# KiCad board EyesOfTomorrow-MainBoard.kicad_pcb
note: AISLER Project ID: BVLYZYGG
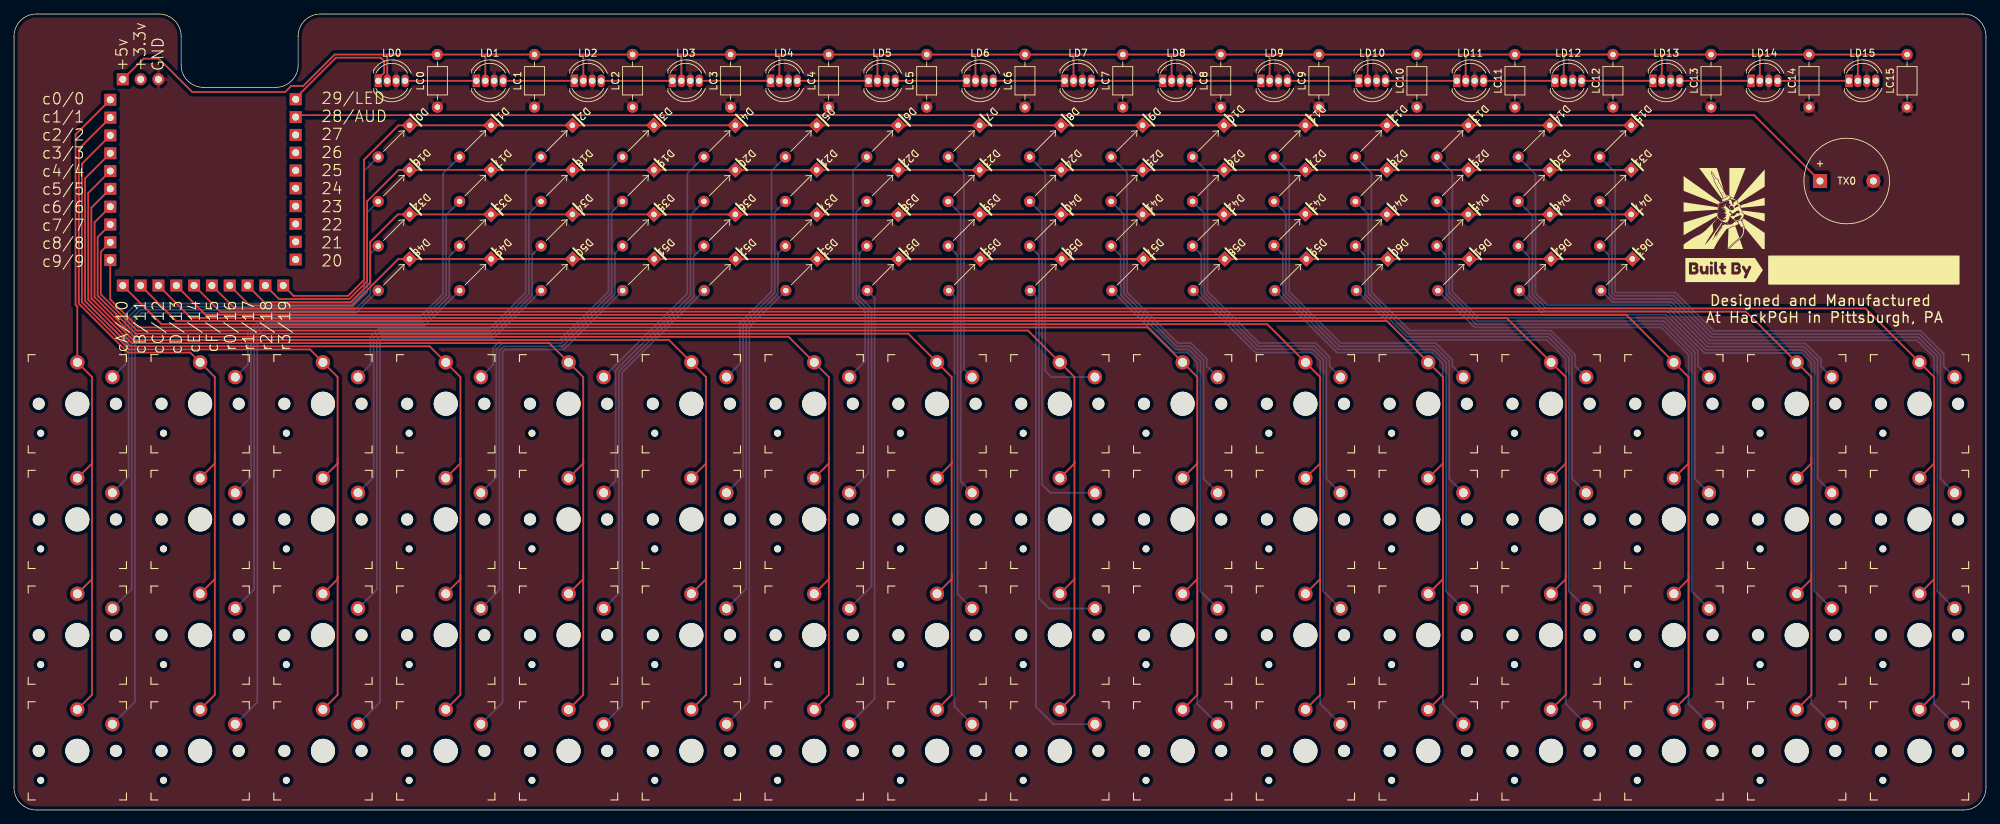
[diagram p0: board, top side]
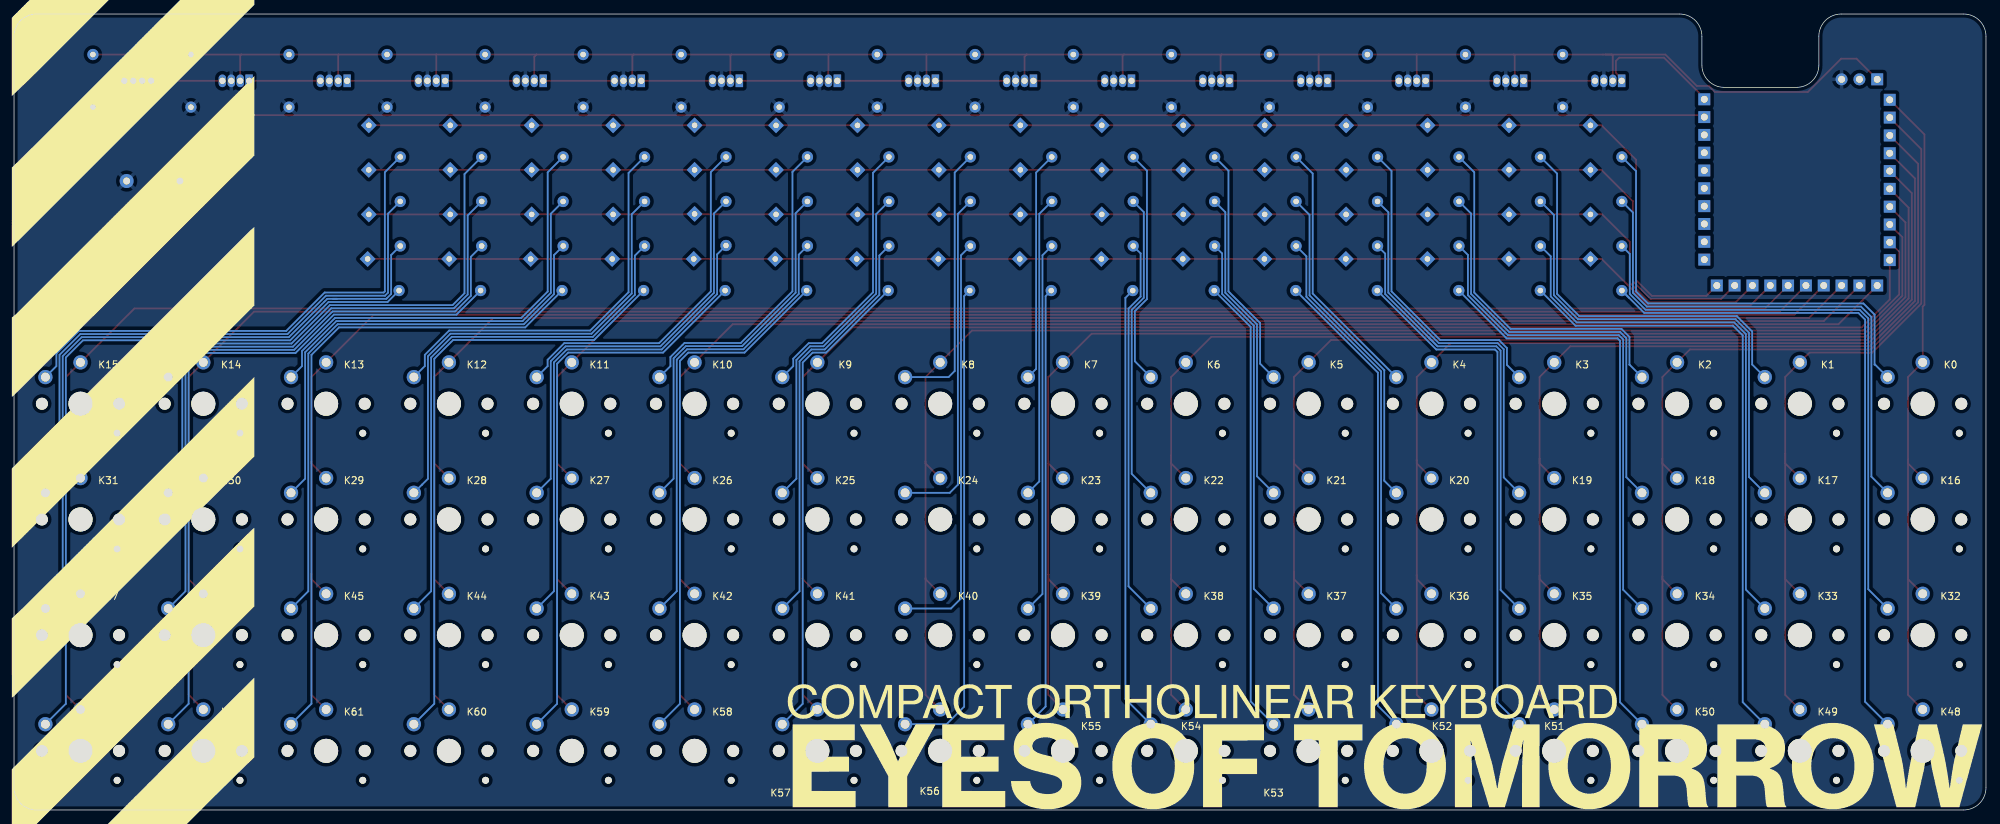
[diagram p1: board, bottom side, seen from below]

Outline 280.99 x 113.51 mm; copper layers: Top, Bottom. Coordinates in mm from the lower left corner of the outline.
Outline path: 0,110.33 0,3.18 arc(0.93,0.93) 3.17,0 277.81,0 arc(280.06,0.93) 280.99,3.18 280.99,110.33 arc(280.06,112.58) 277.81,113.51 43.66,113.51 arc(41.41,112.58) 40.48,110.33 40.48,106.23 arc(39.55,103.98) 37.31,103.05 26.99,103.05 arc(24.74,103.98) 23.81,106.23 23.81,110.33 arc(22.88,112.58) 20.64,113.51 3.17,113.51 arc(0.93,112.58) 0,110.33

## Placement (name value [footprint] x y rotation side)
D0  1N4148W-T4  [1N4148]  54.11 95.39 225 top
D1  1N4148W-T4  [1N4148]  65.72 95.39 225 top
D2  1N4148W-T4  [1N4148]  77.32 95.39 225 top
D3  1N4148W-T4  [1N4148]  88.93 95.39 225 top
D4  1N4148W-T4  [1N4148]  100.53 95.39 225 top
D5  1N4148W-T4  [1N4148]  112.14 95.39 225 top
D6  1N4148W-T4  [1N4148]  123.74 95.39 225 top
D7  1N4148W-T4  [1N4148]  135.35 95.39 225 top
D8  1N4148W-T4  [1N4148]  146.95 95.39 225 top
D9  1N4148W-T4  [1N4148]  158.56 95.39 225 top
D10  1N4148W-T4  [1N4148]  170.16 95.39 225 top
D11  1N4148W-T4  [1N4148]  181.77 95.39 225 top
D12  1N4148W-T4  [1N4148]  193.37 95.39 225 top
D13  1N4148W-T4  [1N4148]  204.98 95.39 225 top
D14  1N4148W-T4  [1N4148]  216.58 95.39 225 top
D15  1N4148W-T4  [1N4148]  228.19 95.39 225 top
D16  1N4148W-T4  [1N4148]  54.11 89.04 225 top
D17  1N4148W-T4  [1N4148]  65.72 89.04 225 top
D18  1N4148W-T4  [1N4148]  77.32 89.04 225 top
D19  1N4148W-T4  [1N4148]  88.93 89.04 225 top
D20  1N4148W-T4  [1N4148]  100.53 89.04 225 top
D21  1N4148W-T4  [1N4148]  112.14 89.04 225 top
D22  1N4148W-T4  [1N4148]  123.74 89.04 225 top
D23  1N4148W-T4  [1N4148]  135.35 89.04 225 top
D24  1N4148W-T4  [1N4148]  146.95 89.04 225 top
D25  1N4148W-T4  [1N4148]  158.56 89.04 225 top
D26  1N4148W-T4  [1N4148]  170.16 89.04 225 top
D27  1N4148W-T4  [1N4148]  181.77 89.04 225 top
D28  1N4148W-T4  [1N4148]  193.37 89.04 225 top
D29  1N4148W-T4  [1N4148]  204.98 89.04 225 top
D30  1N4148W-T4  [1N4148]  216.58 89.04 225 top
D31  1N4148W-T4  [1N4148]  228.19 89.04 225 top
D32  1N4148W-T4  [1N4148]  54.11 82.69 225 top
D33  1N4148W-T4  [1N4148]  65.72 82.69 225 top
D34  1N4148W-T4  [1N4148]  77.32 82.69 225 top
D35  1N4148W-T4  [1N4148]  88.93 82.69 225 top
D36  1N4148W-T4  [1N4148]  100.53 82.69 225 top
D37  1N4148W-T4  [1N4148]  112.14 82.69 225 top
D38  1N4148W-T4  [1N4148]  123.74 82.69 225 top
D39  1N4148W-T4  [1N4148]  135.35 82.69 225 top
D40  1N4148W-T4  [1N4148]  146.95 82.69 225 top
D41  1N4148W-T4  [1N4148]  158.56 82.69 225 top
D42  1N4148W-T4  [1N4148]  170.16 82.69 225 top
D43  1N4148W-T4  [1N4148]  181.77 82.75 225 top
D44  1N4148W-T4  [1N4148]  193.37 82.69 225 top
D45  1N4148W-T4  [1N4148]  204.98 82.69 225 top
D46  1N4148W-T4  [1N4148]  216.58 82.69 225 top
D47  1N4148W-T4  [1N4148]  228.19 82.69 225 top
D48  1N4148W-T4  [1N4148]  54.11 76.33 225 top
D49  1N4148W-T4  [1N4148]  65.73 76.33 225 top
D50  1N4148W-T4  [1N4148]  77.35 76.33 225 top
D51  1N4148W-T4  [1N4148]  88.96 76.33 225 top
D52  1N4148W-T4  [1N4148]  100.58 76.33 225 top
D53  1N4148W-T4  [1N4148]  112.19 76.33 225 top
D54  1N4148W-T4  [1N4148]  123.81 76.33 225 top
D55  1N4148W-T4  [1N4148]  135.43 76.33 225 top
D56  1N4148W-T4  [1N4148]  147.04 76.33 225 top
D57  1N4148W-T4  [1N4148]  158.66 76.33 225 top
D58  1N4148W-T4  [1N4148]  170.28 76.33 225 top
D59  1N4148W-T4  [1N4148]  181.89 76.33 225 top
D60  1N4148W-T4  [1N4148]  193.51 76.33 225 top
D61  1N4148W-T4  [1N4148]  205.12 76.33 225 top
D62  1N4148W-T4  [1N4148]  216.74 76.33 225 top
D63  1N4148W-T4  [1N4148]  228.36 76.33 225 top
G***  LOGO  [hackpgh]  243.68 85.73 0 top
G***#2  LOGO  [eot]  85.77 7.43 180 bottom
G***#3  LOGO  [sweethaz]  264.02 49.93 180 bottom
J1  Block 0 GPIO  [CastellatedEdges]  13.71 101.27 0 top
J2  Block 1 GPIO  [CastellatedEdges]  15.5 74.79 90 top
J3  Block 2 GPIO  [CastellatedEdges]  40.13 78.49 180 top
J4  Power Output  [PinSocket_1x03_P2.54mm_Vertical]  15.5 104.19 90 top
K0  Keyswitch  [SW_PG1350]  9.02 57.93 0 top
K1  Keyswitch  [SW_PG1350]  26.52 57.93 0 top
K2  Keyswitch  [SW_PG1350]  44.02 57.93 0 top
K3  Keyswitch  [SW_PG1350]  61.52 57.93 0 top
K4  Keyswitch  [SW_PG1350]  79.02 57.93 0 top
K5  Keyswitch  [SW_PG1350]  96.52 57.93 0 top
K6  Keyswitch  [SW_PG1350]  114.02 57.93 0 top
K7  Keyswitch  [SW_PG1350]  131.52 57.93 0 top
K8  Keyswitch  [SW_PG1350]  149.02 57.93 0 top
K9  Keyswitch  [SW_PG1350]  166.52 57.93 0 top
K10  Keyswitch  [SW_PG1350]  184.02 57.93 0 top
K11  Keyswitch  [SW_PG1350]  201.52 57.93 0 top
K12  Keyswitch  [SW_PG1350]  219.02 57.93 0 top
K13  Keyswitch  [SW_PG1350]  236.52 57.93 0 top
K14  Keyswitch  [SW_PG1350]  254.02 57.93 0 top
K15  Keyswitch  [SW_PG1350]  271.52 57.93 0 top
K16  Keyswitch  [SW_PG1350]  9.02 41.43 0 top
K17  Keyswitch  [SW_PG1350]  26.52 41.43 0 top
K18  Keyswitch  [SW_PG1350]  44.02 41.43 0 top
K19  Keyswitch  [SW_PG1350]  61.52 41.43 0 top
K20  Keyswitch  [SW_PG1350]  79.02 41.43 0 top
K21  Keyswitch  [SW_PG1350]  96.52 41.43 0 top
K22  Keyswitch  [SW_PG1350]  114.02 41.43 0 top
K23  Keyswitch  [SW_PG1350]  131.52 41.43 0 top
K24  Keyswitch  [SW_PG1350]  149.02 41.43 0 top
K25  Keyswitch  [SW_PG1350]  166.52 41.43 0 top
K26  Keyswitch  [SW_PG1350]  184.02 41.43 0 top
K27  Keyswitch  [SW_PG1350]  201.52 41.43 0 top
K28  Keyswitch  [SW_PG1350]  219.02 41.43 0 top
K29  Keyswitch  [SW_PG1350]  236.52 41.43 0 top
K30  Keyswitch  [SW_PG1350]  254.02 41.43 0 top
K31  Keyswitch  [SW_PG1350]  271.52 41.43 0 top
K32  Keyswitch  [SW_PG1350]  9.02 24.93 0 top
K33  Keyswitch  [SW_PG1350]  26.52 24.93 0 top
K34  Keyswitch  [SW_PG1350]  44.02 24.93 0 top
K35  Keyswitch  [SW_PG1350]  61.52 24.93 0 top
K36  Keyswitch  [SW_PG1350]  79.02 24.93 0 top
K37  Keyswitch  [SW_PG1350]  96.52 24.93 0 top
K38  Keyswitch  [SW_PG1350]  114.02 24.93 0 top
K39  Keyswitch  [SW_PG1350]  131.52 24.93 0 top
K40  Keyswitch  [SW_PG1350]  149.02 24.93 0 top
K41  Keyswitch  [SW_PG1350]  166.52 24.93 0 top
K42  Keyswitch  [SW_PG1350]  184.02 24.93 0 top
K43  Keyswitch  [SW_PG1350]  201.52 24.93 0 top
K44  Keyswitch  [SW_PG1350]  219.02 24.93 0 top
K45  Keyswitch  [SW_PG1350]  236.52 24.93 0 top
K46  Keyswitch  [SW_PG1350]  254.02 24.93 0 top
K47  Keyswitch  [SW_PG1350]  271.52 24.93 0 top
K48  Keyswitch  [SW_PG1350]  9.02 8.43 0 top
K49  Keyswitch  [SW_PG1350]  26.52 8.43 0 top
K50  Keyswitch  [SW_PG1350]  44.02 8.43 0 top
K51  Keyswitch  [SW_PG1350]  61.52 8.43 0 top
K52  Keyswitch  [SW_PG1350]  79.02 8.43 0 top
K53  Keyswitch  [SW_PG1350]  96.52 8.43 0 top
K54  Keyswitch  [SW_PG1350]  114.02 8.43 0 top
K55  Keyswitch  [SW_PG1350]  131.52 8.43 0 top
K56  Keyswitch  [SW_PG1350]  149.02 8.43 0 top
K57  Keyswitch  [SW_PG1350]  166.52 8.43 0 top
K58  Keyswitch  [SW_PG1350]  184.02 8.43 0 top
K59  Keyswitch  [SW_PG1350]  201.52 8.43 0 top
K60  Keyswitch  [SW_PG1350]  219.02 8.43 0 top
K61  Keyswitch  [SW_PG1350]  236.52 8.43 0 top
K62  Keyswitch  [SW_PG1350]  254.02 8.43 0 top
K63  Keyswitch  [SW_PG1350]  271.52 8.43 0 top
kibuzzard-62C8F7A3  G***  [kibuzzard-62C8F7A3]  243.68 76.99 0 top
LC0  100nF  [C_Axial_L3.8mm_D2.6mm_P7.50mm_Horizontal]  60.33 100.23 90 top
LC1  100nF  [C_Axial_L3.8mm_D2.6mm_P7.50mm_Horizontal]  74.17 100.23 90 top
LC2  100nF  [C_Axial_L3.8mm_D2.6mm_P7.50mm_Horizontal]  88.14 100.23 90 top
LC3  100nF  [C_Axial_L3.8mm_D2.6mm_P7.50mm_Horizontal]  102.11 100.23 90 top
LC4  100nF  [C_Axial_L3.8mm_D2.6mm_P7.50mm_Horizontal]  116.08 100.23 90 top
LC5  100nF  [C_Axial_L3.8mm_D2.6mm_P7.50mm_Horizontal]  130.05 100.23 90 top
LC6  100nF  [C_Axial_L3.8mm_D2.6mm_P7.50mm_Horizontal]  144.05 100.23 90 top
LC7  100nF  [C_Axial_L3.8mm_D2.6mm_P7.50mm_Horizontal]  157.99 100.23 90 top
LC8  100nF  [C_Axial_L3.8mm_D2.6mm_P7.50mm_Horizontal]  171.96 100.23 90 top
LC9  100nF  [C_Axial_L3.8mm_D2.6mm_P7.50mm_Horizontal]  185.93 100.23 90 top
LC10  100nF  [C_Axial_L3.8mm_D2.6mm_P7.50mm_Horizontal]  199.9 100.23 90 top
LC11  100nF  [C_Axial_L3.8mm_D2.6mm_P7.50mm_Horizontal]  213.87 100.23 90 top
LC12  100nF  [C_Axial_L3.8mm_D2.6mm_P7.50mm_Horizontal]  227.84 100.23 90 top
LC13  100nF  [C_Axial_L3.8mm_D2.6mm_P7.50mm_Horizontal]  241.81 100.23 90 top
LC14  100nF  [C_Axial_L3.8mm_D2.6mm_P7.50mm_Horizontal]  255.78 100.23 90 top
LC15  100nF  [C_Axial_L3.8mm_D2.6mm_P7.50mm_Horizontal]  269.75 100.23 90 top
LD0  WS2812C  [LED_D5.0mm-4_RGB]  51.91 103.98 0 top
LD1  WS2812C  [LED_D5.0mm-4_RGB]  65.88 103.98 0 top
LD2  WS2812C  [LED_D5.0mm-4_RGB]  79.85 103.98 0 top
LD3  WS2812C  [LED_D5.0mm-4_RGB]  93.82 103.98 0 top
LD4  WS2812C  [LED_D5.0mm-4_RGB]  107.79 103.98 0 top
LD5  WS2812C  [LED_D5.0mm-4_RGB]  121.76 103.98 0 top
LD6  WS2812C  [LED_D5.0mm-4_RGB]  135.73 103.98 0 top
LD7  WS2812C  [LED_D5.0mm-4_RGB]  149.7 103.98 0 top
LD8  WS2812C  [LED_D5.0mm-4_RGB]  163.67 103.98 0 top
LD9  WS2812C  [LED_D5.0mm-4_RGB]  177.64 103.98 0 top
LD10  WS2812C  [LED_D5.0mm-4_RGB]  191.61 103.98 0 top
LD11  WS2812C  [LED_D5.0mm-4_RGB]  205.58 103.98 0 top
LD12  WS2812C  [LED_D5.0mm-4_RGB]  219.55 103.98 0 top
LD13  WS2812C  [LED_D5.0mm-4_RGB]  233.52 103.98 0 top
LD14  WS2812C  [LED_D5.0mm-4_RGB]  247.49 103.98 0 top
LD15  WS2812C  [LED_D5.0mm-4_RGB]  261.46 103.98 0 top
TX0  Transducer  [Buzzer_12x9.5RM7.6]  257.34 89.69 0 top

## Library data of the parts
D0-D63 = -: LCSC: C68948
LC0-LC15 = -: LCSC: C307331
LD0-LD15 = -: LCSC: C965556
TX0 = -: LCSC: C391035

## Footprints (pads in the part's own frame, mm; a bottom-side part is the same pattern mirrored in y, then rotated)
1N4148
  rect 1.6x1.6 hole 0.8: 1(-3.175,0)
  oval 1.6x1.6 hole 0.8: 2(3.175,0.02)
Buzzer_12x9.5RM7.6
  rect 2x2 hole 1: 1(0,0)
  round 2 hole 1: 2(7.6,0)
C_Axial_L3.8mm_D2.6mm_P7.50mm_Horizontal
  round 1.6 hole 0.8: 1(0,0)
  oval 1.6x1.6 hole 0.8: 2(7.5,0)
CastellatedEdges
  rect 1.7x1.7 hole 1: 1(0,0) 2(0,-2.54) 3(0,-5.08) 4(0,-7.62) 5(0,-10.16) 6(0,-12.7) 7(0,-15.24) 8(0,-17.78) 9(0,-20.32) 10(0,-22.86)
LED_D5.0mm-4_RGB
  rect 1.07x1.8 hole 0.9: 1(0,0)
  oval 1.07x1.8 hole 0.9: 2(1.27,0) 3(2.54,0) 4(3.81,0)
PinSocket_1x03_P2.54mm_Vertical
  rect 1.7x1.7 hole 1: 1(0,0)
  oval 1.7x1.7 hole 1: 2(0,-2.54) 3(0,-5.08)
SW_PG1350
  round 1.702 hole 1.702 unplated: (-5.5,0) (5.5,0)
  round 0.991 hole 0.991 unplated: (-5.22,-4.2)
  round 3.429 hole 3.429 unplated: (0,0)
  round 2.032 hole 1.27: 1(0,5.9) 2(5,3.8)

## Nets
+3V3: J4.2
GND: J4.3 LC0.1 LC1.1 LC2.1 LC3.1 LC4.1 LC5.1 LC6.1 LC7.1 LC8.1 LC9.1 LC10.1 LC11.1 LC12.1 LC13.1 LC14.1 LC15.1 LD0.3 LD1.3 LD2.3 LD3.3 LD4.3 LD5.3 LD6.3 LD7.3 LD8.3 LD9.3 LD10.3 LD11.3 LD12.3 LD13.3 LD14.3 LD15.3 TX0.2
VBUS: J4.1 LC0.2 LC1.2 LC2.2 LC3.2 LC4.2 LC5.2 LC6.2 LC7.2 LC8.2 LC9.2 LC10.2 LC11.2 LC12.2 LC13.2 LC14.2 LC15.2 LD0.2 LD1.2 LD2.2 LD3.2 LD4.2 LD5.2 LD6.2 LD7.2 LD8.2 LD9.2 LD10.2 LD11.2 LD12.2 LD13.2 LD14.2 LD15.2
0: J1.1 K0.1 K16.1 K32.1 K48.1
1: J1.2 K1.1 K17.1 K33.1 K49.1
2: J1.3 K2.1 K18.1 K34.1 K50.1
3: J1.4 K3.1 K19.1 K35.1 K51.1
4: J1.5 K4.1 K20.1 K36.1 K52.1
5: J1.6 K5.1 K21.1 K37.1 K53.1
6: J1.7 K6.1 K22.1 K38.1 K54.1
7: J1.8 K7.1 K23.1 K39.1 K55.1
8: J1.9 K8.1 K24.1 K40.1 K56.1
9: J1.10 K9.1 K25.1 K41.1 K57.1
10: J2.1 K10.1 K26.1 K42.1 K58.1
11: J2.2 K11.1 K27.1 K43.1 K59.1
12: J2.3 K12.1 K28.1 K44.1 K60.1
13: J2.4 K13.1 K29.1 K45.1 K61.1
14: J2.5 K14.1 K30.1 K46.1 K62.1
15: J2.6 K15.1 K31.1 K47.1 K63.1
16: D48.1 D49.1 D50.1 D51.1 D52.1 D53.1 D54.1 D55.1 D56.1 D57.1 D58.1 D59.1 D60.1 D61.1 D62.1 D63.1 J2.7
17: D32.1 D33.1 D34.1 D35.1 D36.1 D37.1 D38.1 D39.1 D40.1 D41.1 D42.1 D43.1 D44.1 D45.1 D46.1 D47.1 J2.8
18: D16.1 D17.1 D18.1 D19.1 D20.1 D21.1 D22.1 D23.1 D24.1 D25.1 D26.1 D27.1 D28.1 D29.1 D30.1 D31.1 J2.9
19: D0.1 D1.1 D2.1 D3.1 D4.1 D5.1 D6.1 D7.1 D8.1 D9.1 D10.1 D11.1 D12.1 D13.1 D14.1 D15.1 J2.10
20: J3.1
21: J3.2
22: J3.3
23: J3.4
24: J3.5
25: J3.6
26/A0: J3.7
27/A1: J3.8
28/A2: J3.9 TX0.1
29/A3: J3.10 LD0.1
Net-(D0-Pad2): D0.2 K0.2
Net-(D1-Pad2): D1.2 K1.2
Net-(D2-Pad2): D2.2 K2.2
Net-(D3-Pad2): D3.2 K3.2
Net-(D4-Pad2): D4.2 K4.2
Net-(D5-Pad2): D5.2 K5.2
Net-(D6-Pad2): D6.2 K6.2
Net-(D7-Pad2): D7.2 K7.2
Net-(D8-Pad2): D8.2 K8.2
Net-(D9-Pad2): D9.2 K9.2
Net-(D10-Pad2): D10.2 K10.2
Net-(D11-Pad2): D11.2 K11.2
Net-(D12-Pad2): D12.2 K12.2
Net-(D13-Pad2): D13.2 K13.2
Net-(D14-Pad2): D14.2 K14.2
Net-(D15-Pad2): D15.2 K15.2
Net-(D16-Pad2): D16.2 K16.2
Net-(D17-Pad2): D17.2 K17.2
Net-(D18-Pad2): D18.2 K18.2
Net-(D19-Pad2): D19.2 K19.2
Net-(D20-Pad2): D20.2 K20.2
Net-(D21-Pad2): D21.2 K21.2
Net-(D22-Pad2): D22.2 K22.2
Net-(D23-Pad2): D23.2 K23.2
Net-(D24-Pad2): D24.2 K24.2
Net-(D25-Pad2): D25.2 K25.2
Net-(D26-Pad2): D26.2 K26.2
Net-(D27-Pad2): D27.2 K27.2
Net-(D28-Pad2): D28.2 K28.2
Net-(D29-Pad2): D29.2 K29.2
Net-(D30-Pad2): D30.2 K30.2
Net-(D31-Pad2): D31.2 K31.2
Net-(D32-Pad2): D32.2 K32.2
Net-(D33-Pad2): D33.2 K33.2
Net-(D34-Pad2): D34.2 K34.2
Net-(D35-Pad2): D35.2 K35.2
Net-(D36-Pad2): D36.2 K36.2
Net-(D37-Pad2): D37.2 K37.2
Net-(D38-Pad2): D38.2 K38.2
Net-(D39-Pad2): D39.2 K39.2
Net-(D40-Pad2): D40.2 K40.2
Net-(D41-Pad2): D41.2 K41.2
Net-(D42-Pad2): D42.2 K42.2
Net-(D43-Pad2): D43.2 K43.2
Net-(D44-Pad2): D44.2 K44.2
Net-(D45-Pad2): D45.2 K45.2
Net-(D46-Pad2): D46.2 K46.2
Net-(D47-Pad2): D47.2 K47.2
Net-(D48-Pad2): D48.2 K48.2
Net-(D49-Pad2): D49.2 K49.2
Net-(D50-Pad2): D50.2 K50.2
Net-(D51-Pad2): D51.2 K51.2
Net-(D52-Pad2): D52.2 K52.2
Net-(D53-Pad2): D53.2 K53.2
Net-(D54-Pad2): D54.2 K54.2
Net-(D55-Pad2): D55.2 K55.2
Net-(D56-Pad2): D56.2 K56.2
Net-(D57-Pad2): D57.2 K57.2
Net-(D58-Pad2): D58.2 K58.2
Net-(D59-Pad2): D59.2 K59.2
Net-(D60-Pad2): D60.2 K60.2
Net-(D61-Pad2): D61.2 K61.2
Net-(D62-Pad2): D62.2 K62.2
Net-(D63-Pad2): D63.2 K63.2
Net-(LD0-Pad4): LD0.4 LD1.1
Net-(LD1-Pad4): LD1.4 LD2.1
Net-(LD2-Pad4): LD2.4 LD3.1
Net-(LD3-Pad4): LD3.4 LD4.1
Net-(LD4-Pad4): LD4.4 LD5.1
Net-(LD5-Pad4): LD5.4 LD6.1
Net-(LD6-Pad4): LD6.4 LD7.1
Net-(LD7-Pad4): LD7.4 LD8.1
Net-(LD8-Pad4): LD8.4 LD9.1
Net-(LD10-Pad1): LD9.4 LD10.1
Net-(LD10-Pad4): LD10.4 LD11.1
Net-(LD11-Pad4): LD11.4 LD12.1
Net-(LD12-Pad4): LD12.4 LD13.1
Net-(LD13-Pad4): LD13.4 LD14.1
Net-(LD14-Pad4): LD14.4 LD15.1

Pads without a net: LD15 4

## Routing (per net, layer and track width the routed paths; a pad name or vN(x,y) marks a point on that pad's centre or on a via; arc(x,y) is an arc through that point)
VBUS: length 321.4
  Top w0.25: 192.69,107.73 178.76,107.73 ; 192.69,107.73 192.88,107.54 LD10.2 ; 192.69,107.73 206.54,107.73 ; 178.76,107.73 164.91,107.73 ; 178.76,107.73 178.91,107.58 LD9.2 ; 108.91,107.73 109.06,107.58 LD4.2 ; 108.91,107.73 122.84,107.73 ; 108.91,107.73 95.06,107.73 ; LD14.2 248.76,107.58 248.61,107.73 ; 262.54,107.73 248.61,107.73 ; 262.54,107.73 262.73,107.54 LD15.2 ; 262.54,107.73 LC15.2 ; 248.61,107.73 LC13.2 234.76,107.73 ; 164.91,107.73 150.97,107.73 ; 164.91,107.73 164.94,107.7 LD8.2 ; 150.97,107.73 150.97,107.73 LD7.2 ; 150.97,107.73 136.69,107.73 ; 234.76,107.73 220.82,107.73 ; 234.76,107.73 234.79,107.7 LD13.2 ; 67.27,107.73 67.15,107.61 LD1.2 ; 67.27,107.73 81.12,107.73 ; 67.27,107.73 LC0.2 54.18,107.73 ; LD12.2 220.82,107.73 220.82,107.73 ; LD0.2 53.18,107.57 53.34,107.73 54.18,107.73 ; 95.06,107.73 81.12,107.73 ; 95.06,107.73 95.09,107.7 LD3.2 ; 81.12,107.73 81.12,107.73 LD2.2 ; 220.82,107.73 206.54,107.73 ; 206.54,107.73 206.85,107.42 LD11.2 ; LD5.2 123.03,107.54 122.84,107.73 ; 54.18,107.73 45.69,107.73 41.21,103.25 39.49,103.25 38.63,102.38 25.39,102.38 20.64,107.14 18.44,107.14 J4.1 ; 136.69,107.73 137,107.42 LD6.2 ; 136.69,107.73 122.84,107.73
0: length 98.5
  Top w0.25: 11.11,34.13 11.11,16.42 K48.1 ; 11.11,34.13 11.11,50 ; 11.11,34.13 11.11,32.92 K32.1 ; 11.11,50 11.11,61.74 K0.1 9.02,71.78 8.77,72.03 8.77,96.33 J1.1 ; 11.11,50 11.11,49.42 K16.1
1: length 108.9
  Top w0.25: 28.61,50.83 28.61,61.74 K1.1 25.13,65.22 16.21,65.22 9.22,72.21 9.22,94.24 J1.2 ; 28.61,50.83 28.61,34.1 ; 28.61,50.83 28.61,49.42 K17.1 ; K49.1 28.61,16.42 28.61,34.1 ; 28.61,34.1 28.61,32.92 K33.1
2: length 121.5
  Top w0.25: 46.11,50.08 46.11,33.27 ; 46.11,50.08 46.11,61.74 K2.1 42.18,65.67 16.4,65.67 9.67,72.4 9.67,92.15 J1.3 ; 46.11,50.08 46.11,49.42 K18.1 ; 46.11,33.27 46.11,16.42 K50.1 ; 46.11,33.27 46.11,32.92 K34.1
3: length 135.9
  Top w0.25: 63.61,50.11 63.61,33.45 ; 63.61,50.11 63.61,49.42 K19.1 ; 63.61,50.11 63.61,61.74 K3.1 59.23,66.12 16.58,66.12 10.12,72.59 10.12,90.06 J1.4 ; 63.61,33.45 63.61,32.92 K35.1 ; 63.61,33.45 63.61,16.42 K51.1
4: length 149.9
  Top w0.25: 81.11,49.86 81.11,61.74 K4.1 76.28,66.57 16.77,66.57 10.57,72.77 10.57,87.97 J1.5 ; 81.11,49.86 81.11,33.48 ; 81.11,49.86 81.11,49.42 K20.1 ; 81.11,33.48 81.11,32.92 K36.1 ; 81.11,33.48 81.11,16.42 K52.1
5: length 164.6
  Top w0.25: K37.1 98.61,32.92 98.61,33.95 ; K53.1 98.61,16.42 98.61,33.95 ; 98.61,49.82 98.61,61.74 K5.1 93.33,67.02 16.96,67.02 11.02,72.96 11.02,85.88 J1.6 ; 98.61,49.82 98.61,33.95 ; 98.61,49.82 98.61,49.42 K21.1
6: length 179.2
  Top w0.25: 116.11,50.58 116.11,61.74 K6.1 110.38,67.47 17.14,67.47 11.47,73.14 11.47,83.79 J1.7 ; 116.11,50.58 116.11,33.56 ; 116.11,50.58 116.11,49.42 K22.1 ; 116.11,33.56 116.11,32.92 K38.1 ; 116.11,33.56 116.11,16.42 K54.1
7: length 192.6
  Top w0.25: K39.1 133.61,32.92 133.61,33.6 ; 133.61,33.6 133.61,16.42 K55.1 ; 133.61,33.6 133.61,49.75 ; K23.1 133.61,49.42 133.61,49.75 ; 133.61,49.75 133.61,61.74 K7.1 127.43,67.92 17.33,67.92 11.92,73.33 11.92,81.7 J1.8
8: length 206.2
  Top w0.25: K24.1 151.11,49.42 151.11,49.71 ; 151.11,49.71 151.11,33.04 ; 151.11,49.71 151.11,61.74 K8.1 144.48,68.37 17.51,68.37 12.37,73.52 12.37,79.61 J1.9 ; 151.11,33.04 151.11,16.42 K56.1 ; 151.11,33.04 151.11,32.92 K40.1
9: length 219.5
  Top w0.25: K25.1 168.61,49.42 168.61,49.55 ; 168.61,49.55 168.61,33 ; 168.61,49.55 168.61,61.74 K9.1 161.53,68.82 17.7,68.82 13.71,72.81 J1.10 ; 168.61,33 168.61,32.92 K41.1 ; 168.61,33 168.61,16.42 K57.1
10: length 231.3
  Top w0.25: 186.11,49.64 186.11,33.76 ; 186.11,49.64 186.11,61.74 K10.1 178.58,69.27 21.02,69.27 J2.1 ; 186.11,49.64 186.11,49.42 K26.1 ; 186.11,33.76 186.11,32.92 K42.1 ; 186.11,33.76 186.11,16.42 K58.1
11: length 245.4
  Top w0.25: J2.2 23.11,69.72 195.63,69.72 K11.1 203.61,61.74 203.61,49.6 ; K59.1 203.61,16.42 203.61,32.93 ; 203.61,32.93 203.61,49.6 ; 203.61,32.93 203.61,32.92 K43.1 ; 203.61,49.6 203.61,49.42 K27.1
12: length 261
  Top w0.25: K60.1 221.11,16.42 221.11,33.69 ; 221.11,49.56 221.11,33.69 ; 221.11,49.56 221.11,49.42 K28.1 ; 221.11,49.56 221.11,61.74 K12.1 212.68,70.17 25.2,70.17 J2.3 ; 221.11,33.69 221.11,32.92 K44.1
13: length 276.1
  Top w0.25: K45.1 238.61,32.92 238.61,33.65 ; 238.61,33.65 238.61,49.7 ; 238.61,33.65 238.61,16.42 K61.1 ; J2.4 27.29,70.62 229.73,70.62 K13.1 238.61,61.74 238.61,49.7 ; 238.61,49.7 238.61,49.42 K29.1
14: length 291.6
  Top w0.25: 256.11,33.61 256.11,16.42 K62.1 ; 256.11,33.61 256.11,32.92 K46.1 ; 256.11,33.61 256.11,50.28 ; J2.5 29.38,71.07 246.78,71.07 K14.1 256.11,61.74 256.11,50.28 ; K30.1 256.11,49.42 256.11,50.28
15: length 305.5
  Top w0.25: 273.61,33.1 273.61,32.92 K47.1 ; 273.61,33.1 273.61,49.77 ; 273.61,33.1 273.61,16.42 K63.1 ; 273.61,49.77 273.61,61.74 K15.1 263.83,71.52 31.47,71.52 J2.6 ; 273.61,49.77 273.61,49.42 K31.1
16: length 203.8
  Top w0.25: J2.7 33.56,71.97 48.15,71.97 54.76,78.58 D48.1 D63.1
17: length 206.7
  Top w0.25: D47.1 D32.1 54.69,84.93 50.76,81 50.76,75.21 47.97,72.41 35.65,72.41 J2.8
18: length 209.7
  Top w0.25: J2.9 37.74,72.86 47.78,72.86 50.31,75.39 50.31,86.79 54.8,91.28 D16.1 D31.1
19: length 212.8
  Top w0.25: D15.1 D0.1 54.77,97.63 49.86,92.72 49.86,75.58 47.59,73.31 39.83,73.31 J2.10
28/A2: length 221.2
  Top w0.25: J3.9 40.41,99.09 247.95,99.09 TX0.1
29/A3: length 18.8
  Top w0.25: J3.10 40.13,101.54 45.88,107.28 52.26,107.28 52.73,106.81 52.73,105.12 52.36,104.75 51.91,104.75 LD0.1
Net-(D0-Pad2): length 65.1
  Bottom w0.25: K0.2 15.79,63.5 15.88,63.5 15.88,70.64 17.46,72.23 48.13,72.23 49.86,73.96 49.86,91.1 D0.2
Net-(D1-Pad2): length 57.8
  Bottom w0.25: K1.2 33.31,63.53 33.31,68.24 35.51,70.43 57.95,70.43 61.12,73.6 61.12,90.76 D1.2
Net-(D2-Pad2): length 51.5
  Bottom w0.25: K2.2 50.79,63.5 50.8,63.5 50.8,67.47 51.94,68.61 67.74,68.61 72.92,73.78 72.92,90.95 D2.2
Net-(D3-Pad2): length 44.7
  Bottom w0.25: K3.2 68.26,63.48 68.26,65.88 69.4,67.01 77.77,67.01 84.71,73.96 84.71,91.14 D3.2
Net-(D4-Pad2): length 37.3
  Bottom w0.25: K4.2 95.94,73.65 95.94,90.76 D4.2
Net-(D5-Pad2): length 34.9
  Bottom w0.25: D5.2 107.94,91.16 107.94,73.96 103.43,69.44 103.43,63.64 K5.2
Net-(D6-Pad2): length 33.9
  Bottom w0.25: D6.2 119.56,91.17 119.56,72.85 121.28,71.12 121.28,63.99 K6.2
Net-(D7-Pad2): length 32.8
  Bottom w0.25: K7.2 135.34,62.91 135.34,90.9 D7.2
Net-(D8-Pad2): length 38.9
  Bottom w0.25: K8.2 147.82,61.73 146.95,62.6 146.95,90.9 D8.2
Net-(D9-Pad2): length 38.8
  Bottom w0.25: D9.2 158.59,90.87 158.59,73.82 165.84,66.57 167.75,66.57 169.96,64.36 169.96,63.29 K9.2
Net-(D10-Pad2): length 44.8
  Bottom w0.25: K10.2 187.46,63.29 187.46,64.59 185.45,66.59 177.43,66.59 170.07,73.95 170.07,90.99 D10.2
Net-(D11-Pad2): length 50.5
  Bottom w0.25: K11.2 204.96,63.29 204.96,64.2 202.58,66.57 189.07,66.57 181.7,73.94 181.7,90.96 D11.2
Net-(D12-Pad2): length 56.8
  Bottom w0.25: D12.2 193.42,90.85 193.42,73.83 198.89,68.37 218.98,68.37 222.46,64.9 222.46,63.29 K12.2
Net-(D13-Pad2): length 63
  Bottom w0.25: K13.2 239.96,63.29 239.96,65.46 235.25,70.17 208.71,70.17 204.95,73.93 204.95,90.93 D13.2
Net-(D14-Pad2): length 68.2
  Bottom w0.25: D14.2 216.8,90.68 216.8,73.69 218.5,71.99 235.98,71.99 241.45,66.52 255.27,66.52 257.46,64.33 257.46,63.29 K14.2
Net-(D15-Pad2): length 74.6
  Bottom w0.25: K15.2 274.96,63.29 274.96,65.09 271.73,68.32 242.2,68.32 236.73,73.79 228.32,73.79 228.15,73.96 228.15,90.94 D15.2
Net-(D16-Pad2): length 75.1
  Bottom w0.25: K16.2 16.32,47.54 16.32,70.3 17.81,71.78 48.32,71.78 50.31,73.77 50.31,85.2 D16.2
Net-(D17-Pad2): length 67.9
  Bottom w0.25: K17.2 33.76,47.47 33.76,68.05 35.69,69.98 58.14,69.98 61.57,73.41 61.57,84.86 D17.2
Net-(D18-Pad2): length 61.6
  Bottom w0.25: D18.2 73.37,85.05 73.37,73.6 67.93,68.16 52.12,68.16 51.25,67.28 51.25,47.46 K18.2
Net-(D19-Pad2): length 54.8
  Bottom w0.25: D19.2 85.16,85.24 85.16,73.77 77.95,66.56 69.58,66.56 68.71,65.7 68.71,47.42 K19.2
Net-(D20-Pad2): length 47.5
  Bottom w0.25: K20.2 85.74,46.96 85.74,62.7 85.72,62.72 96.39,73.38 96.39,84.86 D20.2
Net-(D21-Pad2): length 45
  Bottom w0.25: D21.2 108.39,85.26 108.39,73.77 103.88,69.26 103.88,47.59 K21.2
Net-(D22-Pad2): length 44
  Bottom w0.25: K22.2 121.73,47.94 121.73,71.31 120.01,73.03 120.01,85.27 D22.2
Net-(D23-Pad2): length 43
  Bottom w0.25: D23.2 134.9,85 134.9,46.85 K23.2
Net-(D24-Pad2): length 49.1
  Bottom w0.25: K24.2 147.65,45.23 146.5,46.38 146.5,85 D24.2
Net-(D25-Pad2): length 49
  Bottom w0.25: D25.2 158.14,84.97 158.14,73.63 165.65,66.12 167.56,66.12 169.51,64.17 169.51,47.24 K25.2
Net-(D26-Pad2): length 55
  Bottom w0.25: K26.2 187.01,47.24 187.01,64.4 185.27,66.14 177.25,66.14 169.62,73.77 169.62,85.09 D26.2
Net-(D27-Pad2): length 60.6
  Bottom w0.25: D27.2 181.25,85.06 181.25,73.75 188.88,66.12 202.4,66.12 204.51,64.01 204.51,47.24 K27.2
Net-(D28-Pad2): length 66.9
  Bottom w0.25: K28.2 222.86,46.39 222.85,46.39 222.01,47.23 222.01,64.71 218.8,67.92 198.7,67.92 192.97,73.65 192.97,84.95 D28.2
Net-(D29-Pad2): length 73.2
  Bottom w0.25: D29.2 204.5,85.03 204.5,73.74 208.52,69.72 235.06,69.72 239.51,65.27 239.51,47.24 K29.2
Net-(D30-Pad2): length 78.4
  Bottom w0.25: K30.2 257.01,47.24 257.01,64.15 255.08,66.07 241.25,66.07 235.78,71.54 218.31,71.54 216.35,73.5 216.35,84.78 D30.2
Net-(D31-Pad2): length 84.7
  Bottom w0.25: K31.2 274.51,47.24 274.51,64.9 271.54,67.87 242.01,67.87 236.54,73.34 228.13,73.34 227.7,73.77 227.7,85.03 D31.2
Net-(D32-Pad2): length 85.3
  Bottom w0.25: D32.2 50.76,79.3 50.76,73.58 48.51,71.33 17.99,71.33 16.77,70.11 16.77,31.49 K32.2
Net-(D33-Pad2): length 78.1
  Bottom w0.25: D33.2 62.02,78.96 62.02,73.23 58.33,69.53 35.88,69.53 34.21,67.87 34.21,31.42 K33.2
Net-(D34-Pad2): length 71.8
  Bottom w0.25: K34.2 51.7,31.41 51.7,67.1 52.31,67.71 68.12,67.71 68.47,68.06 73.82,73.41 73.82,79.15 D34.2
Net-(D35-Pad2): length 66.6
  Bottom w0.25: 79.43,67.41 78.14,66.11 69.77,66.11 69.16,65.51 69.16,31.37 K35.2 ; 79.43,67.41 85.61,73.58 85.61,79.34 D35.2 ; 79.43,67.41 78.24,66.22
Net-(D36-Pad2): length 57.6
  Bottom w0.25: K36.2 86.19,30.91 86.19,62.55 96.84,73.2 96.84,78.96 D36.2
Net-(D37-Pad2): length 55.2
  Bottom w0.25: K37.2 104.33,31.54 104.33,69.07 108.84,73.58 108.84,79.36 D37.2
Net-(D38-Pad2): length 54.2
  Bottom w0.25: D38.2 120.46,79.37 120.46,73.22 122.18,71.5 122.18,31.89 K38.2
Net-(D39-Pad2): length 53.1
  Bottom w0.25: K39.2 134.45,30.8 134.45,79.1 D39.2
Net-(D40-Pad2): length 59.4
  Bottom w0.25: K40.2 147.48,28.73 146.05,30.16 146.05,79.1 D40.2
Net-(D41-Pad2): length 59.1
  Bottom w0.25: D41.2 157.69,79.07 157.69,73.45 165.47,65.67 167.38,65.67 169.06,63.99 169.06,31.19 K41.2
Net-(D42-Pad2): length 65.1
  Bottom w0.25: K42.2 186.56,31.19 186.56,64.22 185.08,65.69 177.06,65.69 169.17,73.58 169.17,79.19 D42.2
Net-(D43-Pad2): length 70.9
  Bottom w0.25: K43.2 204.06,31.19 204.06,63.82 202.21,65.67 188.7,65.67 180.8,73.57 180.8,79.23 D43.2
Net-(D44-Pad2): length 77.1
  Bottom w0.25: D44.2 192.52,79.05 192.52,73.46 198.52,67.47 218.61,67.47 221.56,64.52 221.56,31.19 K44.2
Net-(D45-Pad2): length 83.3
  Bottom w0.25: D45.2 204.05,79.13 204.05,73.55 208.34,69.27 234.87,69.27 239.06,65.08 239.06,31.19 K45.2
Net-(D46-Pad2): length 88.5
  Bottom w0.25: D46.2 215.9,78.88 215.9,73.32 218.12,71.09 235.59,71.09 241.06,65.62 254.9,65.62 256.56,63.96 256.56,31.19 K46.2
Net-(D47-Pad2): length 95.5
  Bottom w0.25: 234.95,72.89 236.36,72.89 241.83,67.42 271.35,67.42 274.06,64.72 274.06,31.19 K47.2 ; D47.2 227.25,79.13 227.25,73.58 227.94,72.89 235.61,72.89
Net-(D48-Pad2): length 96.9
  Bottom w0.25: K48.2 17.22,15.44 17.22,69.93 18.18,70.88 48.69,70.88 D48.2 50.84,73.03
Net-(D49-Pad2): length 88.2
  Bottom w0.25: K49.2 34.66,15.37 34.66,67.68 36.04,69.06 58.48,69.06 D49.2
Net-(D50-Pad2): length 81.9
  Bottom w0.25: K50.2 52.15,15.36 52.15,66.91 52.5,67.26 68.3,67.26 69.18,68.14 D50.2
Net-(D51-Pad2): length 75.1
  Bottom w0.25: D51.2 78.32,65.67 69.95,65.67 69.61,65.32 69.61,15.32 K51.2
Net-(D52-Pad2): length 67.8
  Bottom w0.25: K52.2 86.64,14.86 86.64,62.37 D52.2
Net-(D53-Pad2): length 65.3
  Bottom w0.25: D53.2 104.77,68.88 104.77,15.49 K53.2
Net-(D54-Pad2): length 63.8
  Bottom w0.25: K54.2 122.63,15.84 122.63,73.03 D54.2
Net-(D55-Pad2): length 63.2
  Bottom w0.25: K55.2 134,14.75 134,73.27 D55.2
Net-(D56-Pad2): length 69.1
  Bottom w0.25: D56.2 145.6,73.28 145.6,14.74 148.11,12.23 K56.2
Net-(D57-Pad2): length 69.2
  Bottom w0.25: K57.2 168.61,15.14 168.61,63.8 167.19,65.22 165.28,65.22 D57.2
Net-(D58-Pad2): length 75.2
  Bottom w0.25: K58.2 186.11,15.14 186.11,64.03 184.92,65.22 176.9,65.22 D58.2
Net-(D59-Pad2): length 80.9
  Bottom w0.25: D59.2 188.51,65.22 202.02,65.22 203.61,63.64 203.61,15.14 K59.2
Net-(D60-Pad2): length 87.2
  Bottom w0.25: D60.2 198.33,67.02 218.43,67.02 221.11,64.34 221.11,15.14 K60.2
Net-(D61-Pad2): length 93.4
  Bottom w0.25: D61.2 208.15,68.82 234.69,68.82 238.61,64.9 238.61,15.14 K61.2
Net-(D62-Pad2): length 98.6
  Bottom w0.25: D62.2 217.94,70.64 235.4,70.64 240.88,65.17 254.71,65.17 256.11,63.77 256.11,15.14 K62.2
Net-(D63-Pad2): length 104.9
  Bottom w0.25: K63.2 273.61,15.14 273.61,64.53 271.17,66.97 241.64,66.97 236.17,72.44 227.76,72.44 D63.2
Net-(LD0-Pad4): length 10.2
  Top w0.25: LD0.4 LD1.1
Net-(LD1-Pad4): length 10.2
  Top w0.25: LD1.4 LD2.1
Net-(LD2-Pad4): length 10.2
  Top w0.25: LD2.4 LD3.1
Net-(LD3-Pad4): length 10.2
  Top w0.25: LD3.4 LD4.1
Net-(LD4-Pad4): length 10.2
  Top w0.25: LD4.4 LD5.1
Net-(LD5-Pad4): length 10.2
  Top w0.25: LD5.4 LD6.1
Net-(LD6-Pad4): length 10.2
  Top w0.25: LD6.4 LD7.1
Net-(LD7-Pad4): length 10.2
  Top w0.25: LD7.4 LD8.1
Net-(LD8-Pad4): length 10.2
  Top w0.25: LD8.4 LD9.1
Net-(LD10-Pad1): length 10.2
  Top w0.25: LD9.4 LD10.1
Net-(LD10-Pad4): length 10.2
  Top w0.25: LD10.4 LD11.1
Net-(LD11-Pad4): length 10.2
  Top w0.25: LD11.4 LD12.1
Net-(LD12-Pad4): length 10.2
  Top w0.25: LD12.4 LD13.1
Net-(LD13-Pad4): length 10.2
  Top w0.25: LD13.4 LD14.1
Net-(LD14-Pad4): length 10.2
  Top w0.25: LD14.4 LD15.1

## Copper pours and planes (outline as drawn; the poured copper is in the pictures)
GND on Top, Bottom: 281.78,-0.79 0,-0.79 0,113.51 281.78,113.51

## Text on the board
F.Silkscreen: Designed and Manufactured / At HackPGH in Pittsburgh, PA | 29/LED / 28/AUD / 27 / 26 / 25 / 24 / 23 / 22 / 21 / 20 | c0/0 / c1/1 / c2/2 / c3/3 / c4/4 / c5/5 / c6/6 / c7/7 / c8/8 / c9/9 | +5v / +3.3v / GND | cA/10 / cB/11 / cC/12 / cD/13 / cE/14 / cF/15 / r0/16 / r1/17 / r2/18 / r3/19
